# Altium PCB Main_Board.PcbDoc (part 11 of 19) (continued)
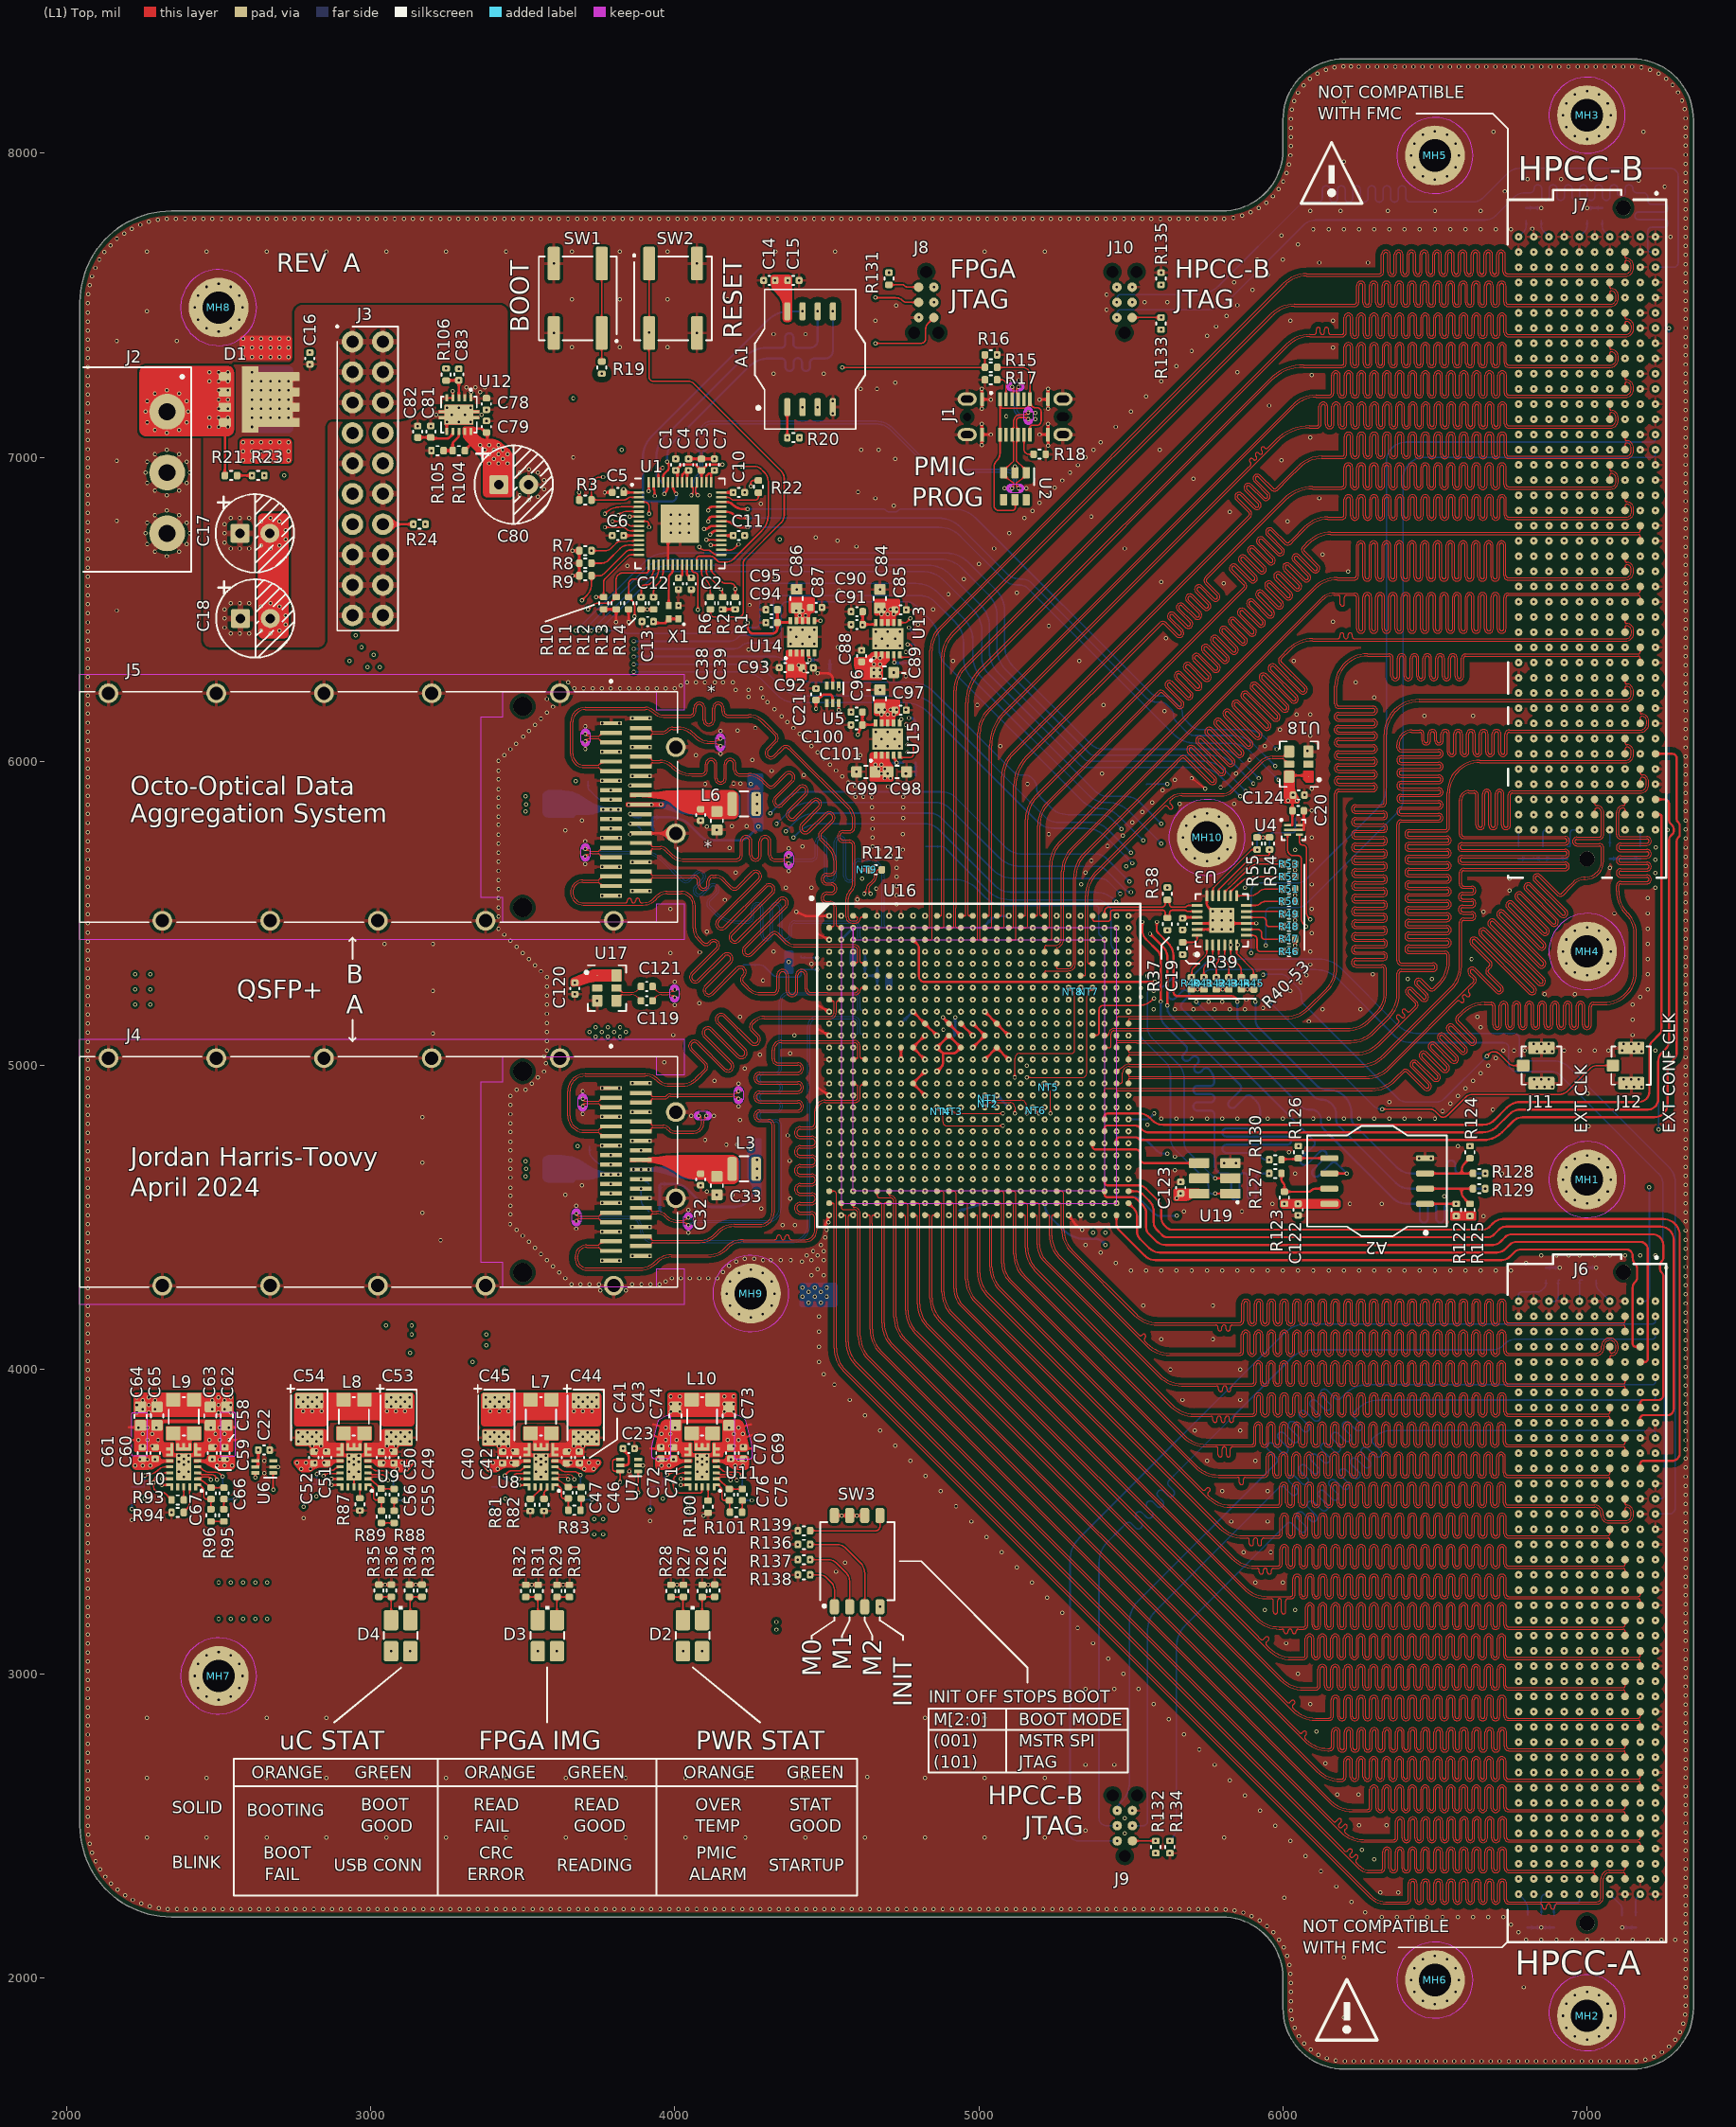
[diagram p0: (L1) Top view]
## Nets (pads, with @x,y where several pads share a name; then routed paths per layer and width w, separated by ;. In a path a pad name is that pad's centre, name@x,y a point inside that pad or via, vN(x,y) a via of type N, cw(c..) or ccw(c..) an arc to the next point about the centre after c; other vN are vias at no path point) (continued)
HPCC_B_11_N: J7.C23 U16.B19 | length 5379
  (L1) Top w3.5: U16.B19@5216.54,5452.76 5228.8,5452.76 ccw(c5228.8,5456.26) 5232.3,5456.26 5232.3,5658.43 cw(c5339.85,5658.43) 5263.8,5734.48 6102.37,6573.05 cw(c6178.42,6497) 6178.42,6604.55 6229.42,6604.55 6234.95,6604.55 ccw(c6234.95,6611.3) 6241.7,6611.3 6241.7,6710.87 cw(c6256,6710.87) 6270.3,6710.87 6270.3,6607.13 ccw(c6277.05,6607.13) 6283.8,6607.13 6283.8,6710.87 cw(c6298.1,6710.87) 6312.4,6710.87 6312.4,6607.13 ccw(c6319.15,6607.13) 6325.9,6607.13 6325.9,6710.87 cw(c6340.2,6710.87) 6354.5,6710.87 6354.5,6607.13 ccw(c6361.25,6607.13) 6368,6607.13 6368,6710.87 cw(c6382.3,6710.87) 6396.6,6710.87 6396.6,6607.13 ccw(c6403.35,6607.13) 6410.1,6607.13 6410.1,6710.87 cw(c6424.4,6710.87) 6438.7,6710.87 6438.7,6607.13 ccw(c6445.45,6607.13) 6452.2,6607.13 6452.2,6710.87 cw(c6466.5,6710.87) 6480.8,6710.87 6480.8,6607.13 ccw(c6487.55,6607.13) 6494.3,6607.13 6494.3,6710.87 cw(c6508.6,6710.87) 6522.9,6710.87 6522.9,6607.13 ccw(c6529.65,6607.13) 6536.4,6607.13 6536.4,6710.87 cw(c6550.7,6710.87) 6565,6710.87 6565,6607.13 ccw(c6571.75,6607.13) 6578.5,6607.13 6578.5,6710.87 cw(c6592.8,6710.87) 6607.1,6710.87 6607.1,6607.13 ccw(c6613.85,6607.13) 6620.6,6607.13 6620.6,6710.87 cw(c6634.9,6710.87) 6649.2,6710.87 6649.2,6607.13 ccw(c6655.95,6607.13) 6662.7,6607.13 6662.7,6710.87 cw(c6677,6710.87) 6691.3,6710.87 6691.3,6607.13 ccw(c6698.05,6607.13) 6704.8,6607.13 6704.8,6710.87 cw(c6719.1,6710.87) 6733.4,6710.87 6733.4,6611.3 ccw(c6740.15,6611.3) 6740.15,6604.55 6762.42,6604.55 7126.55,6604.55 ccw(c7126.55,6623) 7145,6623 7145,6633 ccw(c7131,6633) 7131,6647 ccw(c7131,6641) 7125,6641 J7.C23@7125,6625
HPCC_B_11_P: J7.C22 U16.C19 | length 5435.3
  (L1) Top w3.5: U16.C19@5216.54,5413.39 5234.39,5413.39 ccw(c5234.39,5418.65) 5239.65,5418.65 5239.65,5518.55 5239.85,5518.75 5239.85,5658.43 cw(c5339.85,5658.43) 5269.14,5729.14 6107.71,6567.71 cw(c6178.42,6497) 6178.42,6597 6229.42,6597 6234.95,6597 ccw(c6234.95,6611.3) 6249.25,6611.3 6249.25,6710.87 cw(c6256,6710.87) 6262.75,6710.87 6262.75,6607.13 ccw(c6277.05,6607.13) 6291.35,6607.13 6291.35,6710.87 cw(c6298.1,6710.87) 6304.85,6710.87 6304.85,6607.13 ccw(c6319.15,6607.13) 6333.45,6607.13 6333.45,6710.87 cw(c6340.2,6710.87) 6346.95,6710.87 6346.95,6607.13 ccw(c6361.25,6607.13) 6375.55,6607.13 6375.55,6710.87 cw(c6382.3,6710.87) 6389.05,6710.87 6389.05,6607.13 ccw(c6403.35,6607.13) 6417.65,6607.13 6417.65,6710.87 cw(c6424.4,6710.87) 6431.15,6710.87 6431.15,6607.13 ccw(c6445.45,6607.13) 6459.75,6607.13 6459.75,6710.87 cw(c6466.5,6710.87) 6473.25,6710.87 6473.25,6607.13 ccw(c6487.55,6607.13) 6501.85,6607.13 6501.85,6710.87 cw(c6508.6,6710.87) 6515.35,6710.87 6515.35,6607.13 ccw(c6529.65,6607.13) 6543.95,6607.13 6543.95,6710.87 cw(c6550.7,6710.87) 6557.45,6710.87 6557.45,6607.13 ccw(c6571.75,6607.13) 6586.05,6607.13 6586.05,6710.87 cw(c6592.8,6710.87) 6599.55,6710.87 6599.55,6607.13 ccw(c6613.85,6607.13) 6628.15,6607.13 6628.15,6710.87 cw(c6634.9,6710.87) 6641.65,6710.87 6641.65,6607.13 ccw(c6655.95,6607.13) 6670.25,6607.13 6670.25,6710.87 cw(c6677,6710.87) 6683.75,6710.87 6683.75,6607.13 ccw(c6698.05,6607.13) 6712.35,6607.13 6712.35,6710.87 cw(c6719.1,6710.87) 6725.85,6710.87 6725.85,6611.3 ccw(c6740.15,6611.3) 6740.15,6597 6762.42,6597 7126.55,6597 ccw(c7126.55,6623) 7152.55,6623 7152.55,6633 ccw(c7131,6633) 7131,6654.55 cw(c7131,6660.55) 7125,6660.55 J7.C22@7125,6675
HPCC_B_12_N: J7.C27 U16.E20 | length 5573.5
  (L1) Top w3.5: U16.E20@5255.91,5334.65 5256,5334.65 5256,5322 ccw(c5259.46,5322) 5259.46,5318.54 5291.54,5318.54 5291.65,5318.54 ccw(c5291.49,5322.04) 5291.81,5318.55 5296.78,5319.03 ccw(c5295.28,5334.65) 5310.96,5334.86 5310.99,5355.41 5310.99,5616.12 cw(c5425.79,5616.12) 5344.54,5697.22 ; 5344.57,5697.25 5632.59,5985.26 5661.79,6014.47 cw(c5671.91,6004.36) 5680.78,6015.58 5680.91,6015.58 5682.01,6014.48 ; 5682.02,6014.47 5763.39,5933.1 ccw(c5768.17,5937.87) 5772.94,5933.1 ccw(c5768.17,5937.87) 5772.93,5942.65 ; 5687.38,6048.36 ccw(c5697.52,6038.28) 5687.44,6028.15 5772.91,5942.67 ; 5687.41,6048.39 cw(c5697.52,6038.28) 5706.39,6049.5 5706.53,6049.5 5793.16,5962.86 ccw(c5797.94,5967.64) 5802.71,5962.87 ccw(c5797.94,5967.64) 5802.7,5972.42 ; 5717.15,6078.13 ccw(c5727.29,6068.05) 5717.2,6057.92 5802.68,5972.44 ; 5717.18,6078.16 cw(c5727.29,6068.05) 5736.16,6079.27 5736.3,6079.27 5822.93,5992.63 ccw(c5827.7,5997.41) 5832.48,5992.63 ccw(c5827.7,5997.41) 5832.47,6002.19 5746.98,6087.68 ; 5746.92,6107.9 ccw(c5757.06,6097.82) 5746.97,6087.68 ; 5746.95,6107.93 cw(c5757.06,6097.82) 5765.93,6109.04 5766.07,6109.04 5852.7,6022.4 ccw(c5857.47,6027.18) 5862.25,6022.4 ccw(c5857.47,6027.18) 5862.24,6031.96 ; 5776.69,6137.67 ccw(c5786.83,6127.59) 5776.74,6117.45 5862.22,6031.98 ; 5776.72,6137.7 cw(c5786.83,6127.59) 5795.7,6138.8 5795.84,6138.8 5882.47,6052.17 ccw(c5887.24,6056.95) 5892.02,6052.17 ccw(c5887.24,6056.95) 5892.01,6061.73 5806.51,6147.22 cw(c5816.6,6157.36) 5806.46,6167.43 ; 5806.49,6167.47 cw(c5816.6,6157.36) 5825.47,6168.57 5825.61,6168.57 5912.24,6081.94 ccw(c5917.01,6086.71) 5921.78,6081.94 ccw(c5917.01,6086.71) 5921.77,6091.5 5836.28,6176.99 cw(c5846.37,6187.13) 5836.22,6197.2 ; 5836.26,6197.24 cw(c5846.37,6187.13) 5855.24,6198.34 5855.38,6198.34 5942.01,6111.71 ccw(c5946.78,6116.48) 5951.55,6111.71 ccw(c5946.78,6116.48) 5951.54,6121.27 ; 5865.99,6226.97 ccw(c5876.14,6216.89) 5866.05,6206.76 5951.53,6121.28 ; 5866.03,6227.01 cw(c5876.14,6216.89) 5885.01,6228.11 5885.14,6228.11 5971.78,6141.48 ccw(c5976.55,6146.25) 5981.32,6141.48 ccw(c5976.55,6146.25) 5981.31,6151.04 5895.82,6236.53 cw(c5905.91,6246.66) 5895.76,6256.74 ; 5895.8,6256.78 cw(c5905.91,6246.66) 5914.78,6257.88 5914.91,6257.88 6001.55,6171.25 ccw(c6006.32,6176.02) 6011.09,6171.25 ccw(c6006.32,6176.02) 6011.08,6180.8 ; 5925.53,6286.51 ccw(c5935.68,6276.43) 5925.59,6266.3 6011.07,6180.82 ; 5925.57,6286.54 cw(c5935.68,6276.43) 5944.55,6287.65 5944.68,6287.65 6031.32,6201.02 ccw(c6036.09,6205.79) 6040.86,6201.02 ccw(c6036.09,6205.79) 6040.85,6210.57 ; 5955.3,6316.28 ccw(c5965.45,6306.2) 5955.36,6296.07 6040.83,6210.59 ; 5955.33,6316.31 cw(c5965.45,6306.2) 5974.31,6317.42 5974.45,6317.42 6061.08,6230.79 ccw(c6065.86,6235.56) 6070.63,6230.79 ccw(c6065.86,6235.56) 6070.62,6240.34 5989.25,6321.71 cw(c5999.37,6331.82) 5989.25,6341.93 5993.16,6345.84 6017.33,6370 cw(c6098.42,6288.76) 6098.42,6403.55 6178.75,6403.55 6180.5,6403.55 ccw(c6180.5,6410.3) 6187.25,6410.3 6187.25,6415.69 cw(c6194,6415.69) 6200.75,6415.69 6200.75,6410.1 ccw(c6207.5,6410.1) 6214.25,6410.1 6214.25,6415.69 cw(c6221,6415.69) 6227.75,6415.69 6227.75,6410.3 ccw(c6234.5,6410.3) 6234.5,6403.55 6248.75,6403.55 7127.55,6403.55 ccw(c7127.55,6422) 7146,6422 7146,6430 ccw(c7130,6430) 7130,6446 ccw(c7130,6441) 7125,6441 J7.C27@7125,6425
HPCC_B_12_P: J7.C26 U16.F19 | length 5583.8
  (L1) Top w3.5: U16.F19@5216.54,5295.28 5216.54,5307.54 cw(c5220.19,5307.54) 5220.19,5311.19 5292,5311.19 5292.51,5311.23 5297.49,5311.72 ccw(c5295.28,5334.65) 5318.31,5334.9 5318.34,5355.39 5318.34,5355.49 5318.34,5515 5318.34,5518.55 5318.54,5518.75 5318.54,5616.12 cw(c5425.79,5616.12) 5349.88,5691.88 5637.92,5979.92 5667.13,6009.13 cw(c5671.91,6004.36) 5676.7,6009.12 5758.03,5927.78 ccw(c5768.17,5937.87) 5778.24,5927.72 ; 5761.86,6102.57 5847.34,6017.09 ccw(c5857.47,6027.18) 5867.55,6017.03 ; 5761.85,6102.58 ccw(c5757.06,6097.82) 5752.29,6102.59 ccw(c5757.06,6097.82) 5752.29,6093.05 5838.92,6006.41 5838.92,6006.28 cw(c5827.7,5997.41) 5837.82,5987.3 ; 5778.28,5927.76 ccw(c5768.17,5937.87) 5779.38,5946.74 5779.38,5946.87 5692.75,6033.51 cw(c5697.52,6038.28) 5692.75,6043.05 cw(c5697.52,6038.28) 5702.31,6043.04 5787.8,5957.55 ccw(c5797.94,5967.64) 5808.01,5957.49 ; 5791.61,6132.35 ccw(c5786.83,6127.59) 5782.06,6132.36 ccw(c5786.83,6127.59) 5782.06,6122.82 5868.69,6036.18 5868.69,6036.05 cw(c5857.47,6027.18) 5867.59,6017.06 ; 5791.63,6132.33 5877.1,6046.86 ccw(c5887.24,6056.95) 5897.32,6046.8 ; 5808.05,5957.53 ccw(c5797.94,5967.64) 5809.15,5976.51 5809.15,5976.64 5722.52,6063.28 cw(c5727.29,6068.05) 5722.52,6072.82 cw(c5727.29,6068.05) 5732.08,6072.81 5817.57,5987.32 ccw(c5827.7,5997.41) 5837.78,5987.26 ; 5851.17,6191.87 5936.64,6106.4 ccw(c5946.78,6116.48) 5956.86,6106.34 ; 5851.15,6191.89 ccw(c5846.37,6187.13) 5841.6,6191.9 ccw(c5846.37,6187.13) 5841.6,6182.35 5928.23,6095.72 5928.23,6095.58 cw(c5917.01,6086.71) 5927.12,6076.6 ; 5880.92,6221.66 ccw(c5876.14,6216.89) 5871.37,6221.67 ccw(c5876.14,6216.89) 5871.36,6212.12 5958,6125.49 5958,6125.35 cw(c5946.78,6116.48) 5956.89,6106.37 ; 5880.94,6221.64 5966.41,6136.17 ccw(c5976.55,6146.25) 5986.63,6136.11 ; 5897.35,6046.83 ccw(c5887.24,6056.95) 5898.46,6065.81 5898.46,6065.95 5811.83,6152.58 cw(c5816.6,6157.36) 5811.83,6162.13 cw(c5816.6,6157.36) 5821.38,6162.12 5906.87,6076.63 ; 5906.88,6076.63 ccw(c5917.01,6086.71) 5927.09,6076.57 ; 5910.71,6251.41 5996.18,6165.94 ccw(c6006.32,6176.02) 6016.4,6165.88 ; 5910.69,6251.43 ccw(c5905.91,6246.66) 5901.13,6251.44 ccw(c5905.91,6246.66) 5901.13,6241.89 5987.77,6155.26 5987.77,6155.12 cw(c5976.55,6146.25) 5986.66,6136.14 ; 5940.46,6281.2 ccw(c5935.68,6276.43) 5930.9,6281.21 ccw(c5935.68,6276.43) 5930.9,6271.66 6017.54,6185.03 6017.54,6184.89 cw(c6006.32,6176.02) 6016.43,6165.91 ; 5940.48,6281.18 6025.95,6195.7 ccw(c6036.09,6205.79) 6046.17,6195.65 ; 6046.2,6195.68 ccw(c6036.09,6205.79) 6047.31,6214.66 6047.31,6214.8 5960.67,6301.43 cw(c5965.45,6306.2) 5960.67,6310.97 cw(c5965.45,6306.2) 5970.23,6310.96 6055.72,6225.47 ccw(c6065.86,6235.56) 6075.93,6225.41 ; 6075.97,6225.45 ccw(c6065.86,6235.56) 6077.07,6244.43 6077.07,6244.57 5994.59,6327.05 cw(c5999.37,6331.82) 5994.59,6336.59 5998.5,6340.5 6022.64,6364.64 cw(c6098.42,6288.76) 6098.42,6396 7127.55,6396 ccw(c7127.55,6422) 7153.55,6422 7153.55,6430 ccw(c7130,6430) 7130,6453.55 cw(c7130,6458.55) 7125,6458.55 J7.C26@7125,6475
HPCC_B_13_N: J7.C31 U16.L24 | length 5441.5
  (L1) Top w3.5: U16.L24@5413.39,5098.43 5421.43,5098.43 ccw(c5421.43,5104) 5427,5104 cw(c5444.79,5104) 5444.79,5121.79 6210.37,5121.79 ccw(c6210.37,5221.79) 6281.08,5151.08 6310.71,5180.71 ccw(c6258.23,5233.19) 6332.45,5233.19 6332.45,5311.77 6332.45,5317.3 ccw(c6325.7,5317.3) 6325.7,5324.05 6239.33,5324.05 cw(c6239.33,5338.35) 6239.33,5352.65 6329.52,5352.65 ccw(c6329.52,5359.4) 6329.52,5366.15 6239.33,5366.15 cw(c6239.33,5380.45) 6239.33,5394.75 6329.52,5394.75 ccw(c6329.52,5401.5) 6329.52,5408.25 6239.33,5408.25 cw(c6239.33,5422.55) 6239.33,5436.85 6329.52,5436.85 ccw(c6329.52,5443.6) 6329.52,5450.35 6239.33,5450.35 cw(c6239.33,5464.65) 6239.33,5478.95 6329.52,5478.95 ccw(c6329.52,5485.7) 6329.52,5492.45 6239.33,5492.45 cw(c6239.33,5506.75) 6239.33,5521.05 6329.52,5521.05 ccw(c6329.52,5527.8) 6329.52,5534.55 6239.33,5534.55 cw(c6239.33,5548.85) 6239.33,5563.15 6329.52,5563.15 ccw(c6329.52,5569.9) 6329.52,5576.65 6239.33,5576.65 cw(c6239.33,5590.95) 6239.33,5605.25 6329.52,5605.25 ccw(c6329.52,5612) 6329.52,5618.75 6239.33,5618.75 cw(c6239.33,5633.05) 6239.33,5647.35 6329.52,5647.35 ccw(c6329.52,5654.1) 6329.52,5660.85 6239.33,5660.85 cw(c6239.33,5675.15) 6239.33,5689.45 6329.52,5689.45 ccw(c6329.52,5696.2) 6329.52,5702.95 6239.33,5702.95 cw(c6239.33,5717.25) 6239.33,5731.55 6329.52,5731.55 ccw(c6329.52,5738.3) 6329.52,5745.05 6239.33,5745.05 cw(c6239.33,5759.35) 6239.33,5773.65 6329.52,5773.65 ccw(c6329.52,5780.4) 6329.52,5787.15 6239.33,5787.15 cw(c6239.33,5801.45) 6239.33,5815.75 6329.52,5815.75 ccw(c6329.52,5822.5) 6329.52,5829.25 6239.33,5829.25 cw(c6239.33,5843.55) 6239.33,5857.85 6325.7,5857.85 ccw(c6325.7,5864.6) 6332.45,5864.6 6332.45,5905.24 6332.45,6088.45 cw(c6447.55,6088.45) 6447.55,6203.55 7127.55,6203.55 ccw(c7127.55,6221) 7145,6221 7145,6232 ccw(c7130,6232) 7130,6247 ccw(c7130,6242) 7125,6242 J7.C31@7125,6225
HPCC_B_13_P: J7.C30 U16.M24 | length 5499.6
  (L1) Top w3.5: U16.M24@5413.39,5059.06 5413.39,5059 5430,5059 ccw(c5430,5063.35) 5434.35,5063.35 5434.35,5104 cw(c5444.79,5104) 5444.79,5114.44 5518.55,5114.44 5518.75,5114.24 6210.37,5114.24 ccw(c6210.37,5221.79) 6286.42,5145.74 6316.05,5175.37 ccw(c6258.23,5233.19) 6340,5233.19 6340,5311.77 6340,5317.3 ccw(c6325.7,5317.3) 6325.7,5331.6 6239.33,5331.6 cw(c6239.33,5338.35) 6239.33,5345.1 6329.52,5345.1 ccw(c6329.52,5359.4) 6329.52,5373.7 6239.33,5373.7 cw(c6239.33,5380.45) 6239.33,5387.2 6329.52,5387.2 ccw(c6329.52,5401.5) 6329.52,5415.8 6239.33,5415.8 cw(c6239.33,5422.55) 6239.33,5429.3 6329.52,5429.3 ccw(c6329.52,5443.6) 6329.52,5457.9 6239.33,5457.9 cw(c6239.33,5464.65) 6239.33,5471.4 6329.52,5471.4 ccw(c6329.52,5485.7) 6329.52,5500 6239.33,5500 cw(c6239.33,5506.75) 6239.33,5513.5 6329.52,5513.5 ccw(c6329.52,5527.8) 6329.52,5542.1 6239.33,5542.1 cw(c6239.33,5548.85) 6239.33,5555.6 6329.52,5555.6 ccw(c6329.52,5569.9) 6329.52,5584.2 6239.33,5584.2 cw(c6239.33,5590.95) 6239.33,5597.7 6329.52,5597.7 ccw(c6329.52,5612) 6329.52,5626.3 6239.33,5626.3 cw(c6239.33,5633.05) 6239.33,5639.8 6329.52,5639.8 ccw(c6329.52,5654.1) 6329.52,5668.4 6239.33,5668.4 cw(c6239.33,5675.15) 6239.33,5681.9 6329.52,5681.9 ccw(c6329.52,5696.2) 6329.52,5710.5 6239.33,5710.5 cw(c6239.33,5717.25) 6239.33,5724 6329.52,5724 ccw(c6329.52,5738.3) 6329.52,5752.6 6239.33,5752.6 cw(c6239.33,5759.35) 6239.33,5766.1 6329.52,5766.1 ccw(c6329.52,5780.4) 6329.52,5794.7 6239.33,5794.7 cw(c6239.33,5801.45) 6239.33,5808.2 6329.52,5808.2 ccw(c6329.52,5822.5) 6329.52,5836.8 6239.33,5836.8 cw(c6239.33,5843.55) 6239.33,5850.3 6325.7,5850.3 ccw(c6325.7,5864.6) 6340,5864.6 6340,5905.24 6340,6088.45 cw(c6447.55,6088.45) 6447.55,6196 7127.55,6196 ccw(c7127.55,6221) 7152.55,6221 7152.55,6232 ccw(c7130,6232) 7130,6254.55 cw(c7130,6259.55) 7125,6259.55 J7.C30@7125,6275
HPCC_B_14_N: J7.C35 U16.M26 | length 5484.5
  (L1) Top w3.5: U16.M26@5492.13,5059.06 5492.13,5046.55 ccw(c5495.63,5046.55) 5493.15,5044.07 ccw(c5495.63,5046.55) 5495.63,5043.05 6241.62,5043.05 ccw(c6241.62,5143.05) 6312.33,5072.33 6368.24,5128.24 6379.89,5139.89 ccw(c6375.12,5144.66) 6379.89,5149.44 6374.55,5154.78 cw(c6379.32,5159.55) 6374.55,5164.32 cw(c6379.32,5159.55) 6384.1,5164.32 6389.58,5158.84 ccw(c6394.35,5163.61) 6399.12,5158.84 ccw(c6394.35,5163.61) 6399.12,5168.39 6393.64,5173.87 cw(c6398.41,5178.64) 6393.64,5183.42 cw(c6398.41,5178.64) 6403.19,5183.42 6408.53,5178.07 ccw(c6413.3,5182.85) 6418.07,5178.07 6428.86,5188.86 6431.05,5191.05 6434.96,5194.96 ccw(c6430.19,5199.73) 6434.94,5204.52 ; 6434.93,5204.53 6406.95,5232.52 cw(c6417.03,5242.65) 6406.89,5252.73 cw(c6417.03,5242.65) 6425.9,5253.87 6426.04,5253.87 6459.77,5220.14 ccw(c6464.54,5224.92) 6469.31,5220.14 ccw(c6464.54,5224.92) 6469.3,5229.7 6436.72,5262.28 cw(c6446.8,5272.42) 6436.66,5282.5 ; 6436.69,5282.53 cw(c6446.8,5272.42) 6455.67,5283.64 6455.81,5283.64 6484.95,5254.5 ccw(c6489.72,5259.27) 6494.5,5254.5 6510.24,5270.24 6510.71,5270.71 ccw(c6440,5341.42) 6540,5341.42 6540,5361.35 ccw(c6533.25,5361.35) 6533.25,5368.1 6415.02,5368.1 cw(c6415.02,5382.4) 6415.02,5396.7 6539.17,5396.7 ccw(c6539.17,5403.45) 6539.17,5410.2 6415.02,5410.2 cw(c6415.02,5424.5) 6415.02,5438.8 6539.17,5438.8 ccw(c6539.17,5445.55) 6539.17,5452.3 6415.02,5452.3 cw(c6415.02,5466.6) 6415.02,5480.9 6539.17,5480.9 ccw(c6539.17,5487.65) 6539.17,5494.4 6415.02,5494.4 cw(c6415.02,5508.7) 6415.02,5523 6539.17,5523 ccw(c6539.17,5529.75) 6539.17,5536.5 6415.02,5536.5 cw(c6415.02,5550.8) 6415.02,5565.1 6539.17,5565.1 ccw(c6539.17,5571.85) 6539.17,5578.6 6415.02,5578.6 cw(c6415.02,5592.9) 6415.02,5607.2 6539.17,5607.2 ccw(c6539.17,5613.95) 6539.17,5620.7 6415.02,5620.7 cw(c6415.02,5635) 6415.02,5649.3 6539.17,5649.3 ccw(c6539.17,5656.05) 6539.17,5662.8 6415.02,5662.8 cw(c6415.02,5677.1) 6415.02,5691.4 6539.17,5691.4 ccw(c6539.17,5698.15) 6539.17,5704.9 6415.02,5704.9 cw(c6415.02,5719.2) 6415.02,5733.5 6539.17,5733.5 ccw(c6539.17,5740.25) 6539.17,5747 6415.02,5747 cw(c6415.02,5761.3) 6415.02,5775.6 6533.25,5775.6 ccw(c6533.25,5782.35) 6540,5782.35 6540,5808.92 6540,5896 cw(c6647.55,5896) 6647.55,6003.55 7127.55,6003.55 ccw(c7127.55,6021) 7145,6021 7145,6034 ccw(c7132,6034) 7132,6047 ccw(c7132,6040) 7125,6040 J7.C35@7125,6025
HPCC_B_14_P: J7.C34 U16.N26 | length 5445.3
  (L1) Top w3.5: U16.N26@5492.13,5019.69 5492.13,5032.2 cw(c5495.63,5032.2) 5493.15,5034.67 cw(c5495.63,5032.19) 5495.63,5035.7 5518.55,5035.7 5518.75,5035.5 6241.62,5035.5 ccw(c6241.62,5143.05) 6317.67,5067 6436.39,5185.71 6440.3,5189.62 ccw(c6430.19,5199.73) 6441.4,5208.6 6441.4,5208.74 6440.31,5209.83 6412.26,5237.88 cw(c6417.03,5242.65) 6412.26,5247.43 cw(c6417.03,5242.65) 6421.82,5247.42 ; 6421.83,5247.4 6454.4,5214.83 ccw(c6464.54,5224.92) 6474.62,5214.77 ; 6451.6,5277.17 6479.61,5249.16 ccw(c6489.72,5259.27) 6499.84,5249.16 6515.58,5264.9 6516.05,5265.37 ccw(c6440,5341.42) 6547.55,5341.42 6547.55,5361.35 ccw(c6533.25,5361.35) 6533.25,5375.65 6415.02,5375.65 cw(c6415.02,5382.4) 6415.02,5389.15 6539.17,5389.15 ccw(c6539.17,5403.45) 6539.17,5417.75 6415.02,5417.75 cw(c6415.02,5424.5) 6415.02,5431.25 6539.17,5431.25 ccw(c6539.17,5445.55) 6539.17,5459.85 6415.02,5459.85 cw(c6415.02,5466.6) 6415.02,5473.35 6539.17,5473.35 ccw(c6539.17,5487.65) 6539.17,5501.95 6415.02,5501.95 cw(c6415.02,5508.7) 6415.02,5515.45 6539.17,5515.45 ccw(c6539.17,5529.75) 6539.17,5544.05 6415.02,5544.05 cw(c6415.02,5550.8) 6415.02,5557.55 6539.17,5557.55 ccw(c6539.17,5571.85) 6539.17,5586.15 6415.02,5586.15 cw(c6415.02,5592.9) 6415.02,5599.65 6539.17,5599.65 ccw(c6539.17,5613.95) 6539.17,5628.25 6415.02,5628.25 cw(c6415.02,5635) 6415.02,5641.75 6539.17,5641.75 ccw(c6539.17,5656.05) 6539.17,5670.35 6415.02,5670.35 cw(c6415.02,5677.1) 6415.02,5683.85 6539.17,5683.85 ccw(c6539.17,5698.15) 6539.17,5712.45 6415.02,5712.45 cw(c6415.02,5719.2) 6415.02,5725.95 6539.17,5725.95 ccw(c6539.17,5740.25) 6539.17,5754.55 6415.02,5754.55 cw(c6415.02,5761.3) 6415.02,5768.05 6533.25,5768.05 ccw(c6533.25,5782.35) 6547.55,5782.35 6547.55,5808.92 6547.55,5896 cw(c6647.55,5896) 6647.55,5996 7127.55,5996 ccw(c7127.55,6021) 7152.55,6021 7152.55,6034 ccw(c7132,6034) 7132,6054.55 cw(c7132,6061.55) 7125,6061.55 J7.C34@7125,6075 ; 6451.59,5277.19 ccw(c6446.8,5272.42) 6442.03,5277.2 ccw(c6446.8,5272.42) 6442.03,5267.65 6475.76,5233.92 6475.76,5233.79 cw(c6464.54,5224.92) 6474.65,5214.81
HPCC_B_15_N: J7.C39 U16.T25 | length 5573.2
  (L1) Top w3.5: U16.T25@5452.76,4901.57 5452.76,4912.76 cw(c5457.58,4912.76) 5457.58,4917.58 6293.71,4917.58 ccw(c6293.71,5025.13) 6369.76,4949.08 6379.29,4958.62 6398.32,4977.64 cw(c6403.09,4972.87) 6407.88,4977.62 6463.69,4921.81 ccw(c6473.8,4931.93) 6483.91,4921.81 ccw(c6473.8,4931.93) 6483.91,4942.04 6427.6,4998.35 cw(c6432.38,5003.12) 6427.6,5007.89 cw(c6432.38,5003.12) 6437.16,5007.88 ; 6437.17,5007.87 6493.43,4951.61 ccw(c6503.57,4961.69) 6513.65,4951.55 ; 6513.68,4951.58 ccw(c6503.57,4961.69) 6514.79,4970.56 6514.79,4970.7 6457.37,5028.12 cw(c6462.14,5032.89) 6457.37,5037.66 cw(c6462.14,5032.89) 6466.93,5037.65 6523.2,4981.38 ; 6523.2,4981.37 ccw(c6533.34,4991.46) 6543.42,4981.32 ; 6526.47,5097.19 ccw(c6521.68,5092.43) 6516.91,5097.2 ccw(c6521.68,5092.43) 6516.91,5087.65 6574.33,5030.24 6574.33,5030.1 cw(c6563.11,5021.23) 6573.22,5011.12 cw(c6563.11,5021.23) 6552.97,5011.14 6496.71,5067.4 ccw(c6491.91,5062.66) 6487.14,5067.43 ccw(c6491.91,5062.66) 6487.14,5057.89 6544.56,5000.47 6544.56,5000.33 cw(c6533.34,4991.46) 6543.45,4981.35 ; 6526.48,5097.17 6582.74,5040.92 ccw(c6592.88,5051) 6602.95,5040.86 ; 6602.99,5040.89 ccw(c6592.88,5051) 6604.09,5059.87 6604.09,5060.01 6546.68,5117.42 cw(c6551.45,5122.2) 6546.68,5126.97 cw(c6551.45,5122.2) 6556.23,5126.96 6612.51,5070.68 ccw(c6622.65,5080.77) 6632.72,5070.63 ; 6632.76,5070.66 ccw(c6622.65,5080.77) 6633.86,5089.64 6633.86,5089.78 6576.93,5146.71 cw(c6581.7,5151.48) 6576.93,5156.25 6580.84,5160.16 6591.39,5170.71 cw(c6662.1,5100) 6662.1,5200 6662.34,5200 6683.91,5200 cw(c6683.91,5193.25) 6690.66,5193.25 6690.66,5132.77 ccw(c6704.96,5132.77) 6719.26,5132.77 6719.26,5196.46 cw(c6726.01,5196.46) 6732.76,5196.46 6732.76,5132.77 ccw(c6747.06,5132.77) 6761.36,5132.77 6761.36,5196.46 cw(c6768.11,5196.46) 6774.86,5196.46 6774.86,5132.77 ccw(c6789.16,5132.77) 6803.46,5132.77 6803.46,5196.46 cw(c6810.21,5196.46) 6816.96,5196.46 6816.96,5132.77 ccw(c6831.26,5132.77) 6845.56,5132.77 6845.56,5196.46 cw(c6852.31,5196.46) 6859.06,5196.46 6859.06,5132.77 ccw(c6873.36,5132.77) 6887.66,5132.77 6887.66,5196.46 cw(c6894.41,5196.46) 6901.16,5196.46 6901.16,5132.77 ccw(c6915.46,5132.77) 6929.76,5132.77 6929.76,5196.46 cw(c6936.51,5196.46) 6943.26,5196.46 6943.26,5132.77 ccw(c6957.56,5132.77) 6971.86,5132.77 6971.86,5196.46 cw(c6978.61,5196.46) 6985.36,5196.46 6985.36,5132.77 ccw(c6999.66,5132.77) 7013.96,5132.77 7013.96,5193.25 cw(c7020.71,5193.25) 7020.71,5200 7026.24,5200 7055,5200 ccw(c7055,5307.55) 7162.55,5307.55 7162.55,5434.64 ccw(c7069.64,5434.64) 7135.34,5500.34 7133.29,5502.39 cw(c7204,5573.1) 7104,5573.1 7104,5574.31 7104,5590.95 cw(c7110.75,5590.95) 7110.75,5597.7 7197.12,5597.7 ccw(c7197.12,5612) 7197.12,5626.3 7110.72,5626.3 cw(c7110.72,5633.05) 7110.72,5639.8 7197.12,5639.8 ccw(c7197.12,5654.1) 7197.12,5668.4 7110.72,5668.4 cw(c7110.72,5675.15) 7110.72,5681.9 7197.12,5681.9 ccw(c7197.12,5696.2) 7197.12,5710.5 7110.72,5710.5 cw(c7110.72,5717.25) 7110.72,5724 7197.12,5724 ccw(c7197.12,5738.3) 7197.12,5752.6 7110.75,5752.6 cw(c7110.75,5759.35) 7104,5759.35 7104,5764.88 7104,5832 cw(c7119,5832) 7119,5847 cw(c7119,5841) 7125,5841 J7.C39@7125,5825
HPCC_B_15_P: J7.C38 U16.T24 | length 5619.3
  (L1) Top w3.5: U16.T24@5413.39,4901.57 5413,4901.57 5413,4920 cw(c5417.93,4920) 5417.93,4924.93 5518.55,4924.93 5518.75,4925.13 6293.71,4925.13 ccw(c6293.71,5025.13) 6364.42,4954.42 6373.95,4963.95 6392.98,4982.98 cw(c6403.09,4972.87) 6411.96,4984.08 6412.1,4984.08 6413.19,4982.99 6469.03,4927.15 ccw(c6473.8,4931.93) 6478.57,4927.15 ccw(c6473.8,4931.93) 6478.57,4936.7 6422.29,4992.98 cw(c6432.38,5003.12) 6422.26,5013.23 cw(c6432.38,5003.12) 6441.24,5014.34 6441.38,5014.34 6498.8,4956.92 ccw(c6503.57,4961.69) 6508.34,4956.92 ccw(c6503.57,4961.69) 6508.33,4966.48 ; 6452,5042.97 ccw(c6462.14,5032.89) 6452.06,5022.75 6508.32,4966.49 ; 6452.03,5043 cw(c6462.14,5032.89) 6471.01,5044.11 6471.15,5044.11 6528.57,4986.69 ccw(c6533.34,4991.46) 6538.11,4986.69 ccw(c6533.34,4991.46) 6538.1,4996.25 6481.83,5052.52 ; 6481.77,5072.74 ccw(c6491.91,5062.66) 6481.82,5052.52 ; 6481.8,5072.77 cw(c6491.91,5062.66) 6500.78,5073.88 6500.92,5073.88 6558.34,5016.46 ccw(c6563.11,5021.23) 6567.88,5016.46 ccw(c6563.11,5021.23) 6567.87,5026.02 ; 6511.54,5102.5 ccw(c6521.68,5092.43) 6511.59,5082.29 6567.85,5026.03 ; 6511.57,5102.54 cw(c6521.68,5092.43) 6530.55,5103.64 6530.69,5103.64 6588.1,5046.23 ccw(c6592.88,5051) 6597.65,5046.23 ccw(c6592.88,5051) 6597.64,5055.78 ; 6541.31,5132.27 ccw(c6551.45,5122.2) 6541.36,5112.06 6597.62,5055.8 ; 6541.34,5132.31 cw(c6551.45,5122.2) 6560.32,5133.41 6560.46,5133.41 6617.87,5076 ccw(c6622.65,5080.77) 6627.42,5076 ccw(c6622.65,5080.77) 6627.41,5085.55 6571.59,5141.37 cw(c6581.7,5151.48) 6571.59,5161.59 6575.5,5165.5 6586.05,5176.05 cw(c6662.1,5100) 6662.1,5207.55 6662.34,5207.55 6683.91,5207.55 cw(c6683.91,5193.25) 6698.21,5193.25 6698.21,5132.77 ccw(c6704.96,5132.77) 6711.71,5132.77 6711.71,5196.46 cw(c6726.01,5196.46) 6740.31,5196.46 6740.31,5132.77 ccw(c6747.06,5132.77) 6753.81,5132.77 6753.81,5196.46 cw(c6768.11,5196.46) 6782.41,5196.46 6782.41,5132.77 ccw(c6789.16,5132.77) 6795.91,5132.77 6795.91,5196.46 cw(c6810.21,5196.46) 6824.51,5196.46 6824.51,5132.77 ccw(c6831.26,5132.77) 6838.01,5132.77 6838.01,5196.46 cw(c6852.31,5196.46) 6866.61,5196.46 6866.61,5132.77 ccw(c6873.36,5132.77) 6880.11,5132.77 6880.11,5196.46 cw(c6894.41,5196.46) 6908.71,5196.46 6908.71,5132.77 ccw(c6915.46,5132.77) 6922.21,5132.77 6922.21,5196.46 cw(c6936.51,5196.46) 6950.81,5196.46 6950.81,5132.77 ccw(c6957.56,5132.77) 6964.31,5132.77 6964.31,5196.46 cw(c6978.61,5196.46) 6992.91,5196.46 6992.91,5132.77 ccw(c6999.66,5132.77) 7006.41,5132.77 7006.41,5193.25 cw(c7020.71,5193.25) 7020.71,5207.55 7026.24,5207.55 7055,5207.55 ccw(c7055,5307.55) 7155,5307.55 7155,5434.64 ccw(c7069.65,5434.64) 7130,5495 7127.95,5497.05 cw(c7204,5573.1) 7096.45,5573.1 7096.45,5574.31 7096.45,5590.95 cw(c7110.75,5590.95) 7110.75,5605.25 7197.12,5605.25 ccw(c7197.12,5612) 7197.12,5618.75 7110.72,5618.75 cw(c7110.72,5633.05) 7110.72,5647.35 7197.12,5647.35 ccw(c7197.12,5654.1) 7197.12,5660.85 7110.72,5660.85 cw(c7110.72,5675.15) 7110.72,5689.45 7197.12,5689.45 ccw(c7197.12,5696.2) 7197.12,5702.95 7110.72,5702.95 cw(c7110.72,5717.25) 7110.72,5731.55 7197.12,5731.55 ccw(c7197.12,5738.3) 7197.12,5745.05 7110.75,5745.05 cw(c7110.75,5759.35) 7096.45,5759.35 7096.45,5764.88 7096.45,5832 cw(c7119,5832) 7119,5854.55 ccw(c7119,5860.55) 7125,5860.55 J7.C38@7125,5875
HPCC_B_16_N: J7.D5 U16.A10 | length 5289.5
  (L1) Top w3.5: U16.A10@4862.2,5492.13 ccw(c4863.14,5495.5) 4863.11,5492 4874.15,5492 ccw(c4874.15,5495.5) 4877.65,5495.5 4877.65,6343.78 cw(c4985.2,6343.78) 4909.15,6419.83 5961.37,7472.05 cw(c6037.42,7396) 6037.42,7503.55 6212.08,7503.55 6235.22,7503.55 ccw(c6235.22,7510.3) 6241.97,7510.3 6241.97,7564.87 cw(c6256.27,7564.87) 6270.57,7564.87 6270.57,7508.43 ccw(c6277.32,7508.43) 6284.07,7508.43 6284.07,7564.87 cw(c6298.37,7564.87) 6312.67,7564.87 6312.67,7508.43 ccw(c6319.42,7508.43) 6326.17,7508.43 6326.17,7564.87 cw(c6340.47,7564.87) 6354.77,7564.87 6354.77,7508.43 ccw(c6361.52,7508.43) 6368.27,7508.43 6368.27,7564.87 cw(c6382.57,7564.87) 6396.87,7564.87 6396.87,7508.43 ccw(c6403.62,7508.43) 6410.37,7508.43 6410.37,7564.87 cw(c6424.67,7564.87) 6438.97,7564.87 6438.97,7508.43 ccw(c6445.72,7508.43) 6452.47,7508.43 6452.47,7564.87 cw(c6466.77,7564.87) 6481.07,7564.87 6481.07,7508.43 ccw(c6487.82,7508.43) 6494.57,7508.43 6494.57,7564.87 cw(c6508.87,7564.87) 6523.17,7564.87 6523.17,7508.43 ccw(c6529.92,7508.43) 6536.67,7508.43 6536.67,7564.87 cw(c6550.97,7564.87) 6565.27,7564.87 6565.27,7508.43 ccw(c6572.02,7508.43) 6578.77,7508.43 6578.77,7564.87 cw(c6593.07,7564.87) 6607.37,7564.87 6607.37,7508.43 ccw(c6614.12,7508.43) 6620.87,7508.43 6620.87,7564.87 cw(c6635.17,7564.87) 6649.47,7564.87 6649.47,7508.43 ccw(c6656.22,7508.43) 6662.97,7508.43 6662.97,7564.87 cw(c6677.27,7564.87) 6691.57,7564.87 6691.57,7508.43 ccw(c6698.32,7508.43) 6705.07,7508.43 6705.07,7564.87 cw(c6719.37,7564.87) 6733.67,7564.87 6733.67,7510.3 ccw(c6740.42,7510.3) 6740.42,7503.55 6767,7503.55 7076.55,7503.55 ccw(c7076.55,7523) 7096,7523 7096,7530 ccw(c7079,7530) 7079,7547 ccw(c7079,7543) 7075,7543 J7.D5@7075,7525